# Allegro board 1155000-zp-dic_pda_8ch_board_v002.brd (continued)
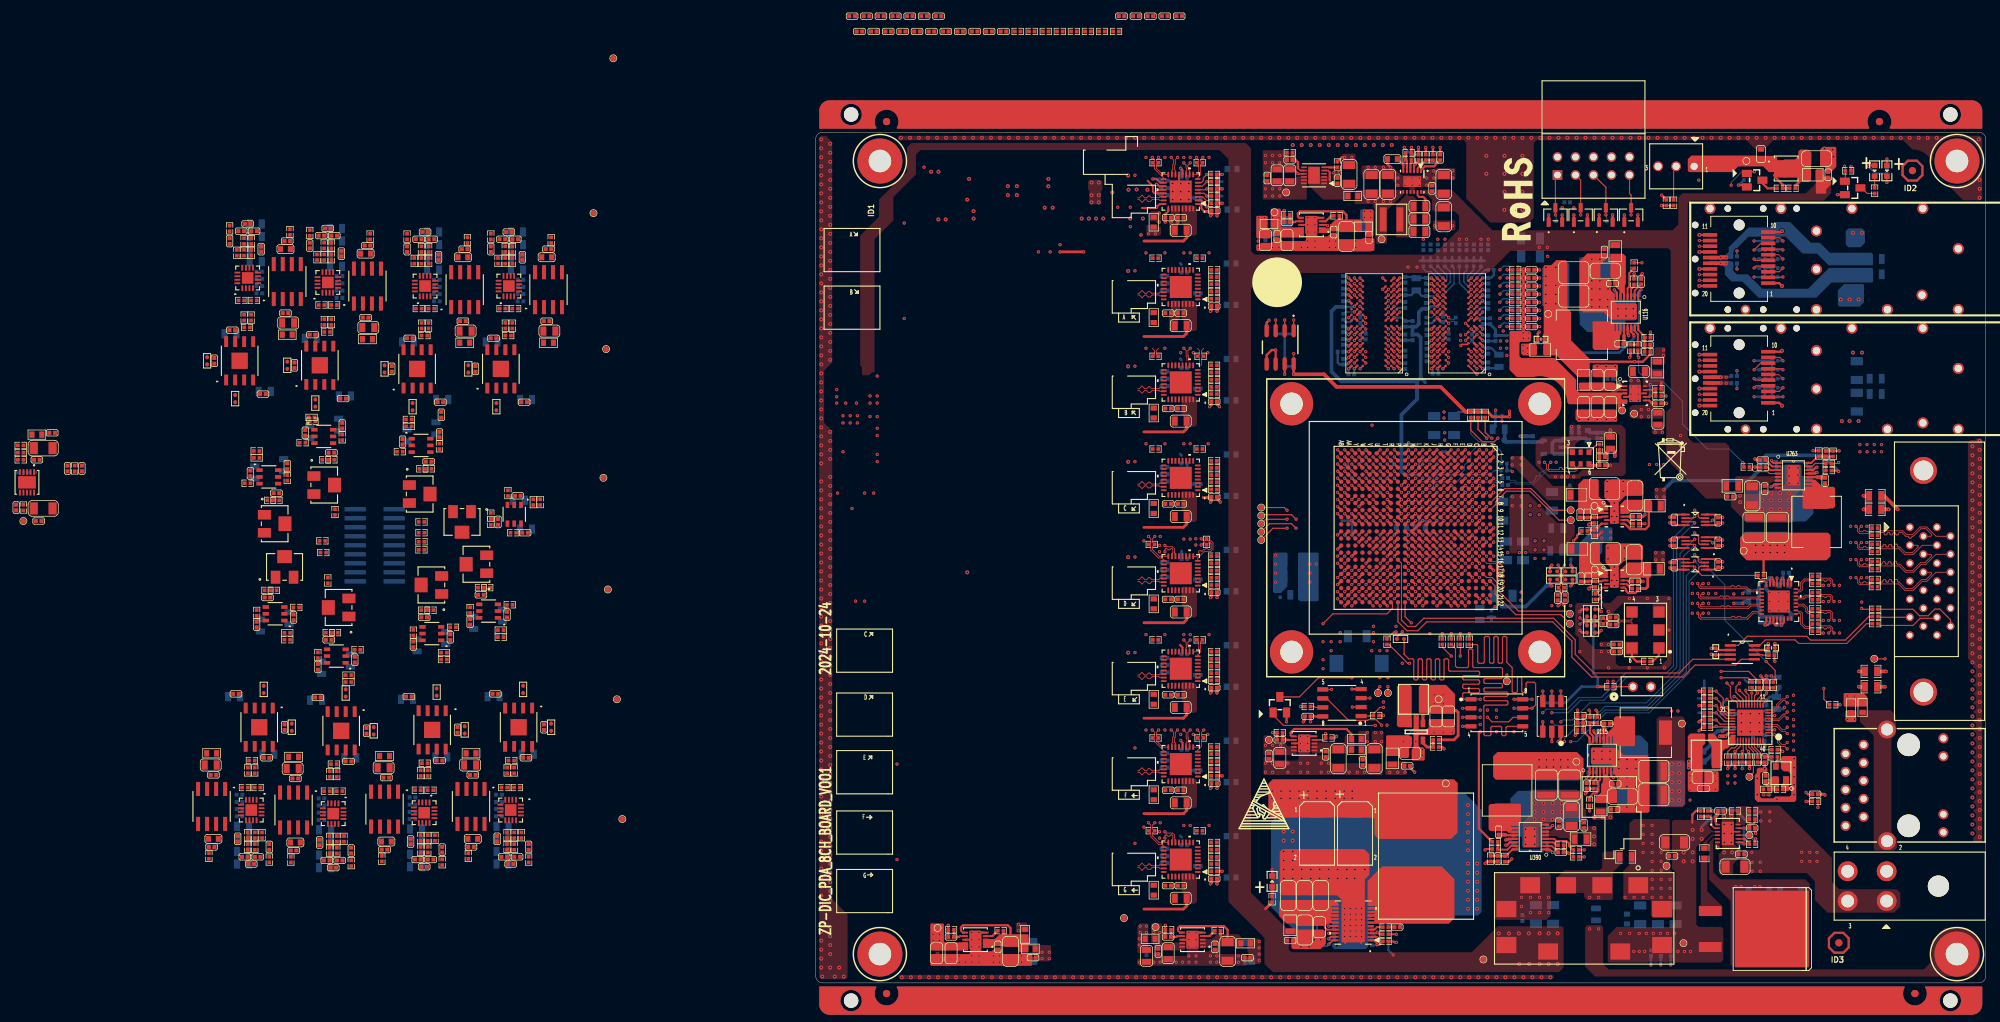
[diagram p0: board, top side]
## Nets (continued)
GND: C13.2(CAP1) C14.2(CAP1) C15.2(CAP1) C22.2(CAP1) C23.2(CAP1) C97.2(CAP1) C114.2(CAP1) C115.2(CAP1) C123.2(CAP1) C143.2(CAP1) C144.2(CAP1) C146.2(CAP1) C153.2(CAP1) C155.2(CAP1) C161.2(CAP1) C162.2(CAP1) C165.2(CAP1) C166.2(CAP1) C224.2(CAP1) C250.2(CAP1) C271.2(CAP1) C340.2(CAP1) C341.2(CAP1) C342.2(CAP1) C343.2(CAP1) C344.2(CAP1) C400.2(CAP1) C401.2(CAP1) C403.2(CAP1) C407.2(CAP1) C408.2(CAP1) C409.2(CAP1) C410.2(CAP1) C414.2(CAP1) C415.2(CAP1) C417.2(CAP1) C418.2(CAP1) C419.2(CAP1) C420.2(CAP1) C425.2(CAP1) C426.2(CAP1) C427.2(CAP1) C430.2(CAP1) C431.2(CAP1) C434.2(CAP1) C437.2(CAP1) C438.2(CAP1) C440.2(CAP1) C441.2(CAP1) C462.2(CAP1) C463.2(CAP1) C491.2(CAP1) C492.2(CAP1) C493.2(CAP1) C494.2(CAP1) C495.2(CAP1) C505.2(CAP1) C506.2(CAP1) C507.2(CAP1) C508.2(CAP1) C510.2(CAP1) C511.2(CAP1) C514.2(CAP1) C515.2(CAP1) C516.2(CAP1) C520.2(CAP1) C521.2(CAP1) C522.2(CAP1) C523.2(CAP1) C524.2(CAP1) C525.2(CAP1) C526.2(CAP1) C527.2(CAP1) C528.2(CAP1) C529.2(CAP1) C530.2(CAP1) C531.2(CAP1) C532.2(CAP1) C533.2(CAP1) C534.2(CAP1) C535.2(CAP1) C536.2(CAP1) C538.2(CAP1) C539.2(CAP1) C540.2(CAP1) C541.2(CAP1) C542.2(CAP1) C543.2(CAP1) C545.2(CAP1) C546.2(CAP1) C547.2(CAP1) C548.2(CAP1) C549.2(CAP1) C550.2(CAP1) C551.2(CAP1) C552.2(CAP1) C553.2(CAP1) C554.2(CAP1) C555.2(CAP1) C556.2(CAP1) C557.2(CAP1) C558.2(CAP1) C559.2(CAP1) C560.2(CAP1) C561.2(CAP1) C562.2(CAP1) C563.2(CAP1) C564.2(CAP1) C565.2(CAP1) C566.2(CAP1) C567.2(CAP1) C568.2(CAP1) C569.2(CAP1) C570.2(CAP1) C571.2(CAP1) C572.2(CAP1) C573.2(CAP1) C640.2(CAP1) C641.2(CAP1) C642.2(CAP1) C839.2(CAP1) C841.2(CAP1) C842.2(CAP1) C846.2(CAP1) C847.2(CAP1) C849.2(CAP1) C850.2(CAP1) C851.2(CAP1) C852.2(CAP1) C853.2(CAP1) C854.2(CAP1) C855.2(CAP1) C859.2(CAP1) C864.2(CAP1) C865.2(CAP1) C930.1(CAP2) C1135.1(CAP2) C1137.2(CAP1) C1138.2(CAP1) C1153.2(CAP1) C1154.2(CAP1) C1155.2(CAP1) C1156.2(CAP1) C1157.2(CAP1) C1158.2(CAP1) C1172.2(CAP1) C1173.2(CAP1) C1174.2(CAP1) C1175.2(CAP1) C1176.2(CAP1) C1177.1(CAP2) C1178.2(CAP1) C1181.2(CAP1) C1182.1(CAP2) C1183.1(CAP2) C1184.2(CAP1) C1185.2(CAP1) C1186.2(CAP1) C1187.1(CAP2) C1188.1(CAP2) C1189.2(CAP1) C1190.2(CAP1) C1193.2(CAP1) C1194.2(CAP1) C1195.2(CAP1) C1196.2(CAP1) C1197.2(CAP1) C1198.2(CAP1) C1199.2(CAP1) C1200.2(CAP1) C1201.2(CAP1) C1202.2(CAP1) C1203.2(CAP1) C1204.1(CAP2) C1205.2(CAP1) C1208.1(CAP2) C1209.1(CAP2) C1215.2(CAP1) C1230.2(CAP1) C1231.1(CAP2) C1232.2(CAP1) C1233.2(CAP1) C1256.1(CAP2) C1257.2(CAP1) C1258.2(CAP1) C1259.2(CAP1) C1277.1(CAP2) C1281.2(CAP1) C1282.1(CAP2) C1298.1(CAP2) C1300.2(CAP1) C1301.1(CAP2) C1338.1(CAP2) C1339.2(CAP1) C1340.2(CAP1) C1341.2(CAP1) C1347.2(CAP1) C1348.1(CAP2) C1349.2(CAP1) C1491.2(CAP1) C1492.2(CAP1) C2084.2(CAP1) C2085.2(CAP1) C2086.1(CAP2) C2087.2(CAP1) C2088.1(CAP2) C2092.2(CAP1) C2093.2(CAP1) C2094.2(CAP1) C2256.2(CAP1) C2413.2(CAP1) C2450.1(CAP2) C2467.2(CAP1) C2468.2(CAP1) C2469.1(CAP2) C2470.1(CAP2) C2471.2(CAP1) C2472.1(CAP2) C2473.1(CAP2) C2474.1(CAP2) C2476.1(CAP2) C2477.2(CAP1) C2479.2(CAP1) C2480.1(CAP2) C2481.1(CAP2) C2482.2(CAP1) C2483.2(CAP1) C2484.2(CAP1) C2485.1(CAP2) C2486.2(CAP1) C2487.1(CAP2) C2488.2(CAP1) C2489.1(CAP2) C2490.2(CAP1) C2491.2(CAP1) C2492.2(CAP1) C2493.2(CAP1) C2494.2(CAP1) C2495.2(CAP1) C2971.1(CAP2) C2972.2(CAP1) C2973.1(CAP2) C2974.2(CAP1) C2975.2(CAP1) C2976.1(CAP2) C2977.2(CAP1) C2978.1(CAP2) C2979.2(CAP1) C2980.1(CAP2) C2981.2(CAP1) C2982.1(CAP2) C2983.2(CAP1) C2984.1(CAP2) C2985.2(CAP1) C2986.1(CAP2) C2989.2(CAP1) C2990.1(CAP2) C2991.2(CAP1) C2992.1(CAP2) C2993.2(CAP1) C2994.1(CAP2) C2995.2(CAP1) C2996.1(CAP2) C2997.2(CAP1) C2998.1(CAP2) C2999.2(CAP1) C3000.1(CAP2) C3001.2(CAP1) C3002.1(CAP2) C3003.2(CAP1) C3004.1(CAP2) C3011.1(CAP2) C3012.2(CAP1) C3015.2(CAP1) C3016.2(CAP1) C3017.2(CAP1) C3021.2(CAP1) C3036.2(CAP1) C3037.2(CAP1) C3038.2(CAP1) C3039.2(CAP1) C3040.2(CAP1) C3041.2(CAP1) C3050.2(CAP1) C3051.2(CAP1) C3052.2(CAP1) C3053.2(CAP1) C3068.2(CAP1) C3069.2(CAP1) C3079.1(CAP2) C3080.2(CAP1) C3081.1(CAP2) C3084.1(CAP2) C3086.2(CAP1) C3087.1(CAP2) C3089.1(CAP2) C3090.2(CAP1) C3092.2(CAP1) C3094.2(CAP1) C3095.2(CAP1) C3096.2(CAP1) C3097.2(CAP1) C3098.2(CAP1) C3101.2(CAP1) C3102.2(CAP1) C3103.2(CAP1) C3104.2(CAP1) C3105.2(CAP1) C3106.2(CAP1) C3107.2(CAP1) C3108.2(CAP1) C3109.2(CAP1) C3110.2(CAP1) C3112.1(CAP2) C3115.2(CAP1) C3117.2(CAP1) C3118.2(CAP1) C3119.2(CAP1) C3120.2(CAP1) C3121.2(CAP1) C3124.2(CAP1) C3125.2(CAP1) C3126.2(CAP1) C3127.2(CAP1) C3128.2(CAP1) C3129.2(CAP1) C3130.2(CAP1) C3131.2(CAP1) C3132.2(CAP1) C3133.2(CAP1) C3135.1(CAP2) C3138.2(CAP1) C3140.2(CAP1) C3141.2(CAP1) C3142.2(CAP1) C3143.2(CAP1) C3144.2(CAP1) C3147.2(CAP1) C3148.2(CAP1) C3149.2(CAP1) C3150.2(CAP1) C3151.2(CAP1) C3152.2(CAP1) C3153.2(CAP1) C3154.2(CAP1) C3155.2(CAP1) C3156.2(CAP1) C3158.1(CAP2) C3161.2(CAP1) C3163.2(CAP1) C3164.2(CAP1) C3165.2(CAP1) C3166.2(CAP1) C3167.2(CAP1) C3170.2(CAP1) C3171.2(CAP1) C3172.2(CAP1) C3173.2(CAP1) C3174.2(CAP1) C3175.2(CAP1) C3176.2(CAP1) C3177.2(CAP1) C3178.2(CAP1) C3179.2(CAP1) C3181.1(CAP2) C3184.2(CAP1) C3186.2(CAP1) C3187.2(CAP1) C3188.2(CAP1) C3189.2(CAP1) C3190.2(CAP1) C3193.2(CAP1) C3194.2(CAP1) C3195.2(CAP1) C3196.2(CAP1) C3197.2(CAP1) C3198.2(CAP1) C3199.2(CAP1) C3200.2(CAP1) C3201.2(CAP1) C3202.2(CAP1) C3204.1(CAP2) C3207.2(CAP1) C3209.2(CAP1) C3210.2(CAP1) C3211.2(CAP1) C3212.2(CAP1) C3213.2(CAP1) C3216.2(CAP1) C3217.2(CAP1) C3218.2(CAP1) C3219.2(CAP1) C3220.2(CAP1) C3221.2(CAP1) C3222.2(CAP1) C3223.2(CAP1) C3224.2(CAP1) C3225.2(CAP1) C3227.1(CAP2) C3230.2(CAP1) C3232.2(CAP1) C3233.2(CAP1) C3234.2(CAP1) C3235.2(CAP1) C3236.2(CAP1) C3239.2(CAP1) C3240.2(CAP1) C3241.2(CAP1) C3242.2(CAP1) C3243.2(CAP1) C3244.2(CAP1) C3245.2(CAP1) C3246.2(CAP1) C3247.2(CAP1) C3248.2(CAP1) C3250.1(CAP2) C3253.2(CAP1) C3255.2(CAP1) C3256.2(CAP1) C3257.2(CAP1) C3258.2(CAP1) C3259.2(CAP1) C3262.2(CAP1) C3263.2(CAP1) C3264.2(CAP1) C3265.2(CAP1) C3266.2(CAP1) C3267.2(CAP1) C3268.2(CAP1) C3269.2(CAP1) C3270.2(CAP1) C3271.2(CAP1) C3272.1(CAP2) C3273.1(CAP2) C3274.1(CAP2) C3275.1(CAP2) C3276.1(CAP2) C3277.1(CAP2) C3278.1(CAP2) C3279.2(CAP1) C3280.1(CAP2) C3283.1(CAP2) C3286.1(CAP2) C3287.1(CAP2) C3288.1(CAP2) C3289.1(CAP2) C3290.1(CAP2) C3291.1(CAP2) C3292.1(CAP2) C3293.2(CAP1) C3294.1(CAP2) C3297.1(CAP2) C3300.1(CAP2) C3301.1(CAP2) C3302.1(CAP2) C3303.1(CAP2) C3304.1(CAP2) C3305.1(CAP2) C3306.1(CAP2) C3307.2(CAP1) C3308.1(CAP2) C3311.1(CAP2) C3314.1(CAP2) C3315.1(CAP2) C3316.1(CAP2) C3317.1(CAP2) C3318.1(CAP2) C3319.1(CAP2) C3320.1(CAP2) C3321.2(CAP1) C3322.1(CAP2) C3325.1(CAP2) C3328.1(CAP2) C3329.1(CAP2) C3330.1(CAP2) C3331.1(CAP2) C3332.1(CAP2) C3333.1(CAP2) C3334.1(CAP2) C3335.2(CAP1) C3336.1(CAP2) C3339.1(CAP2) C3342.1(CAP2) C3343.1(CAP2) C3344.1(CAP2) C3345.1(CAP2) C3346.1(CAP2) C3347.1(CAP2) C3348.1(CAP2) C3349.2(CAP1) C3350.1(CAP2) C3353.1(CAP2) C3356.1(CAP2) C3357.1(CAP2) C3358.1(CAP2) C3359.1(CAP2) C3360.1(CAP2) C3361.1(CAP2) C3362.1(CAP2) C3363.2(CAP1) C3364.1(CAP2) C3367.1(CAP2) C3370.1(CAP2) C3371.1(CAP2) C3372.1(CAP2) C3373.1(CAP2) C3374.1(CAP2) C3375.1(CAP2) C3376.1(CAP2) C3377.2(CAP1) C3378.1(CAP2) C3381.1(CAP2) C3384.1(CAP2) C3385.2(CAP1) C3386.1(CAP2) C3388.2(CAP1) C3389.2(CAP1) C3390.2(CAP1) C3391.2(CAP1) C3393.2(CAP1) C3394.2(CAP1) C3395.2(CAP1) C3396.2(CAP1) C3397.2(CAP1) C3398.2(CAP1) C3399.2(CAP1) C3400.2(CAP1) C3401.2(CAP1) C3402.2(CAP1) C3403.2(CAP1) C3404.2(CAP1) C3405.2(CAP1) C3406.2(CAP1) C3407.2(CAP1) C3408.2(CAP1) C3409.2(CAP1) C3410.2(CAP1) C3411.2(CAP1) C3412.1(CAP2) C3413.2(CAP1) C3414.1(CAP2) C3415.2(CAP1) C3416.2(CAP1) C3417.1(CAP2) C3418.2(CAP1) C3419.2(CAP1) C3420.1(CAP2) C3421.2(CAP1) C3422.2(CAP1) C3423.1(CAP2) C3424.2(CAP1) C3425.2(CAP1) C3426.1(CAP2) C3427.2(CAP1) C3428.1(CAP2) C3540.2(CAP1) C3542.2(CAP1) C3545.2(CAP1) C3548.2(CAP1) C3551.2(CAP1) C3554.2(CAP1) C3557.2(CAP1) CC1.2 CC7.2 CC8.2 D2.1 D3.1 D4.1 D5.1 DS24.2 J1.2 J1.10 J6.13 J61.3(P3) J77.2 J78.1 J78.2 J78.3 L3.1 L42.1 L242.1 P3.1(VEET_1) P3.10(VEER_1) P3.11(VEER_2) P3.14(VEER_3) P3.17(VEET_2) P3.20(VEET_3) P3.21(GND1) P3.22(GND2) P3.23(GND3) P3.24(GND4) P3.25(GND5) P3.26(GND6) P3.27(GND7) P3.28(GND8) P3.29(GND9) P3.30(GND10) P3.31(GND11) P3.32(GND12) P4.1(VEET_1) P4.10(VEER_1) P4.11(VEER_2) P4.14(VEER_3) P4.17(VEET_2) P4.20(VEET_3) P4.21(GND1) P4.22(GND2) P4.23(GND3) P4.24(GND4) P4.25(GND5) P4.26(GND6) P4.27(GND7) P4.28(GND8) P4.29(GND9) P4.30(GND10) P4.31(GND11) P4.32(GND12) Q10.2(SOURCE) Q15.2(SOURCE) Q21.2(SOURCE) R8.2 R41.2 R219.2 R276.2 R340.1 R341.1 R342.1 R458.2 R490.2 R844.1 R845.2 R1042.1 R1043.1 R1044.1 R1046.1 R1048.2 R1064.1 R1065.2 R1066.1 R1068.2 R1069.1 R1070.1 R1073.2 R1080.1 R1083.2 R1086.2 R1089.2 R1091.2 R1114.2 R1130.2 R1196.2 R1883.2 R2084.2 R2085.2 R2086.2 R2087.2 R2137.2 R2139.2 R2141.2 R2143.2 R2206.2 R2207.2 R2211.2 R2212.2 R2229.1 R2230.1 R2231.1 R2235.1 R2236.1 R2240.1 R2242.1 R2244.1 R2245.1 R2253.1 R2254.2 R2671.2 R2672.2 R2676.1 R2688.1 R2697.1 R2709.1 R2718.1 R2730.1 R2739.1 R2751.1 R2760.1 R2772.1 R2781.1 R2793.1 R2802.1 R2814.1 R2823.1 R2835.1 R3014.1 R3015.1 R3017.1 R3019.1 R3021.1 R3035.1 R3036.1 R3038.1 R3040.1 R3042.1 R3056.1 R3057.1 R3059.1 R3061.1 R3063.1 R3077.1 R3078.1 R3080.1 R3082.1 R3084.1 R3098.1 R3099.1 R3101.1 R3103.1 R3105.1 R3119.1 R3120.1 R3122.1 R3124.1 R3126.1 R3140.1 R3141.1 R3143.1 R3145.1 R3147.1 R3161.1 R3162.1 R3164.1 R3166.1 R3168.1 R3180.1 R3193.1 R3195.2 R3196.1 R3197.2 R3203.2 R3205.1 R3206.2 R3257.1 R3262.1 R3266.1 R3270.1 R3274.1 R3278.1 R3282.1 R3286.1 R3288.1 R3289.1 R3294.1 R3297.1 R3298.1 R3305.1 R3309.1 R3313.1 U1.A1(GND#A1) U1.A5(GND#A5) U1.A7(GND#A7) U1.A12(GND#A12) U1.A22(GND#A22) U1.AA2(GND#AA2) U1.AA12(GND#AA12) U1.AA22(GND#AA22) U1.AB9(GND#AB9) U1.AB19(GND#AB19) U1.B3(GND#B3) U1.B4(GND#B4) U1.B7(GND#B7) U1.B9(GND#B9) U1.B19(GND#B19) U1.C1(GND#C1) U1.C5(GND#C5) U1.C7(GND#C7) U1.C16(GND#C16) U1.D3(GND#D3) U1.D4(GND#D4) U1.D7(GND#D7) U1.D13(GND#D13) U1.E1(GND#E1) U1.E5(GND#E5) U1.E7(GND#E7) U1.E10(GND#E10) U1.E20(GND#E20) U1.F3(GND#F3) U1.F4(GND#F4) U1.F7(GND#F7) U1.F17(GND#F17) U1.G1(GND#G1) U1.G5(GND#G5) U1.G14(GND#G14) U1.H3(GND#H3) U1.H4(GND#H4) U1.H5(GND#H5) U1.H11(GND#H11) U1.H21(GND#H21) U1.J1(GND#J1) U1.J2(GND#J2) U1.J3(GND#J3) U1.J8(GND#J8) U1.J10(GND#J10) U1.J12(GND#J12) U1.J14(GND#J14) U1.J18(GND#J18) U1.K5(GND#K5) U1.K9(GND#K9) U1.K13(GND#K13) U1.K15(GND#K15) U1.L2(GND#L2) U1.L8(GND#L8) U1.L10(GND#L10) U1.L12(VP_0) U1.L14(GND#L14) U1.L22(GND#L22) U1.M7(CFGBVS_0) U1.M9(GND#M9) U1.M11(VN_0) U1.M13(GND#M13) U1.M15(GND#M15) U1.M19(GND#M19) U1.N6(GND#N6) U1.N8(GND#N8) U1.N10(GND#N10) U1.N11(DXN_0) U1.N12(DXP_0) U1.N14(GND#N14) U1.N16(GND#N16) U1.P3(GND#P3) U1.P9(GND#P9) U1.P11(GND#P11) U1.P13(GND#P13) U1.P15(GND#P15) U1.R8(GND#R8) U1.R10(GND#R10) U1.R12(GND#R12) U1.R14(GND#R14) U1.R20(GND#R20) U1.T7(GND#T7) U1.T17(GND#T17) U1.U4(GND#U4) U1.U14(GND#U14) U1.V1(GND#V1) U1.V11(GND#V11) U1.V21(GND#V21) U1.W8(GND#W8) U1.W18(GND#W18) U1.Y5(GND#Y5) U1.Y15(GND#Y15) U23.4(PGND) U23.8(GND) U23.11(PWRPAD) U49.4(GND) U49.5(DIR) U75.A9(VSS#A9) U75.B1(VSSQ#B1) U75.B3(VSS#B3) U75.B9(VSSQ#B9) U75.D1(VSSQ#D1) U75.D8(VSSQ#D8) U75.E1(VSS#E1) U75.E2(VSSQ#E2) U75.E8(VSSQ#E8) U75.F9(VSSQ#F9) U75.G1(VSSQ#G1) U75.G8(VSS#G8) U75.G9(VSSQ#G9) U75.J2(VSS#J2) U75.J8(VSS#J8) U75.M1(VSS#M1) U75.M9(VSS#M9) U75.P1(VSS#P1) U75.P9(VSS#P9) U75.T1(VSS#T1) U75.T9(VSS#T9) U76.A9(VSS#A9) U76.B1(VSSQ#B1) U76.B3(VSS#B3) U76.B9(VSSQ#B9) U76.D1(VSSQ#D1) U76.D8(VSSQ#D8) U76.E1(VSS#E1) U76.E2(VSSQ#E2) U76.E8(VSSQ#E8) U76.F9(VSSQ#F9) U76.G1(VSSQ#G1) U76.G8(VSS#G8) U76.G9(VSSQ#G9) U76.J2(VSS#J2) U76.J8(VSS#J8) U76.M1(VSS#M1) U76.M9(VSS#M9) U76.P1(VSS#P1) U76.P9(VSS#P9) U76.T1(VSS#T1) U76.T9(VSS#T9) U79.4(GND) U79.5(A2) U79.6(A1) U79.7(A0) U93.41(THERM_PAD) U94.2(GND) U102.4(GND) U103.3(GND) U111.4(QPI-1) U111.5(QPI-2) U113.23(EPAD) U115.8(PGND2) U115.17(GND) U116.8(PGND2) U116.17(GND) U118.4(GND) U118.11(PAD) U119.4(GND) U119.11(PAD) U124.2(GND) U127.5(ILIM) U127.8(GND) U127.11(GND_2) U129.5(ILIM) U129.8(GND) U129.11(GND_2) U133.5(ILIM) U133.8(GND) U133.11(GND_2) U154.2(GND) U236.9(GND) U236.10(GND_1) U236.13(PAD) U263.8(PGND2) U263.17(GND) U270.3(GND) U271.1(GND) U271.2(GND_2) U271.5(GND_3) U271.17(GND_4) U271.18(GND_5) U271.33(GND_6) U272.2(GND) U273.4(GND) U275.4(GND) U276.4(GND) U277.4(GND) U278.4(GND) U280.4(GND) U281.4(GND) U282.4(GND) U283.4(GND) U286.4(GND) U286.5(DIR) U287.4(GND) U287.5(DIR) U341.8(GND) U341.11(GND_2) U343.9(EPAD) U344.13(VCLAMP-) U344.14(VS-#14) U344.15(VS-#15) U344.16(DGND) U344.17(EP) U345.13(VCLAMP-) U345.14(VS-#14) U345.15(VS-#15) U345.16(DGND) U345.17(EP) U347.9(EPAD) U348.9(EPAD) U349.13(VCLAMP-) U349.14(VS-#14) U349.15(VS-#15) U349.16(DGND) U349.17(EP) U351.9(EPAD) U352.13(VCLAMP-) U352.14(VS-#14) U352.15(VS-#15) U352.16(DGND) U352.17(EP) U355.13(VCLAMP-) U355.14(VS-#14) U355.15(VS-#15) U355.16(DGND) U355.17(EP) U356.9(EPAD) U358.9(EPAD) U359.13(VCLAMP-) U359.14(VS-#14) U359.15(VS-#15) U359.16(DGND) U359.17(EP) U360.13(VCLAMP-) U360.14(VS-#14) U360.15(VS-#15) U360.16(DGND) U360.17(EP) U362.9(EPAD) U364.13(VCLAMP-) U364.14(VS-#14) U364.15(VS-#15) U364.16(DGND) U364.17(EP) U365.9(EPAD) U366.13(GND) U366.24(GND_2) U366.26(REF_GND) U366.27(REF_GND_2) U366.28(REF_GND_3) U366.33(EP) U369.13(GND) U369.24(GND_2) U369.26(REF_GND) U369.27(REF_GND_2) U369.28(REF_GND_3) U369.33(EP) U372.13(GND) U372.24(GND_2) U372.26(REF_GND) U372.27(REF_GND_2) U372.28(REF_GND_3) U372.33(EP) U375.13(GND) U375.24(GND_2) U375.26(REF_GND) U375.27(REF_GND_2) U375.28(REF_GND_3) U375.33(EP) U378.13(GND) U378.24(GND_2) U378.26(REF_GND) U378.27(REF_GND_2) U378.28(REF_GND_3) U378.33(EP) U381.13(GND) U381.24(GND_2) U381.26(REF_GND) U381.27(REF_GND_2) U381.28(REF_GND_3) U381.33(EP) U384.13(GND) U384.24(GND_2) U384.26(REF_GND) U384.27(REF_GND_2) U384.28(REF_GND_3) U384.33(EP) U387.13(GND) U387.24(GND_2) U387.26(REF_GND) U387.27(REF_GND_2) U387.28(REF_GND_3) U387.33(EP) U390.8(PGND2) U390.17(GND) U391.5(ILIM) U391.8(GND) U391.11(GND_2) U392.9(GND)
GND_EARTH: MH1.1 R2123.1
GND_FPGA_LAN: J6.17(SHELL_GND#17) J6.18(SHELL_GND#18) L42.2
VCC1V5: C1186.1(CAP2) C1192.2(CAP1) C1193.1(CAP2) C1194.1(CAP2) C1195.1(CAP2) C1196.1(CAP2) L92.2 L94.2 L95.1 R1072.2 TP44.1 U116.14(BIAS)
VCC1V5_FPGA: C161.1(CAP2) C162.1(CAP2) C187.1(CAP2) C250.1(CAP2) C508.1(CAP2) C510.1(CAP2) C511.1(CAP2) C514.1(CAP2) C515.1(CAP2) C516.1(CAP2) C528.1(CAP2) C529.1(CAP2) C530.1(CAP2) C531.1(CAP2) C532.1(CAP2) C533.1(CAP2) C534.1(CAP2) C535.1(CAP2) C536.1(CAP2) C538.1(CAP2) C539.1(CAP2) C540.1(CAP2) C541.1(CAP2) C542.1(CAP2) C543.1(CAP2) C544.1(CAP2) C556.1(CAP2) C557.1(CAP2) C558.1(CAP2) C559.1(CAP2) C560.1(CAP2) C561.1(CAP2) C562.1(CAP2) C564.1(CAP2) C565.1(CAP2) C566.1(CAP2) C567.1(CAP2) C568.1(CAP2) C569.1(CAP2) C570.1(CAP2) C571.1(CAP2) C572.1(CAP2) L92.1 R2140.1 R2142.1 U1.AA7(VCCO_33#AA7) U1.AB4(VCCO_34#AB4) U1.M4(VCCO_34#M4) U1.N1(VCCO_34#N1) U1.R5(VCCO_34#R5) U1.T2(VCCO_34#T2) U1.T12(VCCO_33#T12) U1.U9(VCCO_33#U9) U1.V6(VCCO_33#V6) U1.W3(VCCO_34#W3) U1.W13(VCCO_33#W13) U1.Y10(VCCO_33#Y10) U75.A1(VDDQ#A1) U75.A8(VDDQ#A8) U75.B2(VDD#B2) U75.C1(VDDQ#C1) U75.C9(VDDQ#C9) U75.D2(VDDQ#D2) U75.D9(VDD#D9) U75.E9(VDDQ#E9) U75.F1(VDDQ#F1) U75.G7(VDD#G7) U75.H2(VDDQ#H2) U75.H9(VDDQ#H9) U75.K2(VDD#K2) U75.K8(VDD#K8) U75.N1(VDD#N1) U75.N9(VDD#N9) U75.R1(VDD#R1) U75.R9(VDD#R9) U76.A1(VDDQ#A1) U76.A8(VDDQ#A8) U76.B2(VDD#B2) U76.C1(VDDQ#C1) U76.C9(VDDQ#C9) U76.D2(VDDQ#D2) U76.D9(VDD#D9) U76.E9(VDDQ#E9) U76.F1(VDDQ#F1) U76.G7(VDD#G7) U76.H2(VDDQ#H2) U76.H9(VDDQ#H9) U76.K2(VDD#K2) U76.K8(VDD#K8) U76.N1(VDD#N1) U76.N9(VDD#N9) U76.R1(VDD#R1) U76.R9(VDD#R9)
VCC1V5_PG: R1075.1 R1077.1
VCC1V8: C505.1(CAP2) C641.1(CAP2) C642.1(CAP2) C1172.1(CAP2) C1173.1(CAP2) C1174.1(CAP2) C1180.2(CAP1) C1181.1(CAP2) C1184.1(CAP2) C1185.1(CAP2) C1492.1(CAP2) C2494.1(CAP2) C3037.1(CAP2) C3038.1(CAP2) C3040.1(CAP2) D2.2 D3.2 D4.2 D5.2 J1.4 L34.2 L86.2 L91.1 L99.1 L101.1 L245.1 R4.1 R42.1 R337.2 R338.2 R339.2 R395.1 R455.1 R456.1 R496.1 R497.1 R498.1 R499.1 R500.1 R501.1 R1057.2 R1058.1 R1074.1 R1076.1 R1100.1 R1112.1 R1885.1 R1928.1 R2152.1 R2153.1 R2232.2 R2233.2 R2234.2 R2237.2 R2238.2 R2239.2 R2247.2 R2598.2 R3188.1 TP43.1 U49.8(VCCB) U79.8(VS) U102.8(VCC) U115.14(BIAS) U154.3(VCCA) U273.8(VCC) U286.8(VCCB) U287.1(VCCA)
VCC1V8_A: C1300.1(CAP2) C1301.2(CAP1) C3017.1(CAP2) L366.1 L367.1 L369.1 L370.1 L372.1 L373.1 L375.1 L376.1 L378.1 L379.1 L381.1 L382.1 L384.1 L385.1 L387.1 L388.1 TP64.1 U129.9(OUTS) U129.10(OUT)
VCC1V8_FPGA: C143.1(CAP2) C400.1(CAP2) C401.1(CAP2) C403.1(CAP2) C2495.1(CAP2) L91.2 U1.F22(VCCO_14#F22) U1.G19(VCCO_14#G19) U1.J7(VCCO_0#J7) U1.K20(VCCO_14#K20) U1.L17(VCCO_14#L17) U1.N7(VCCO_0#N7) U1.N21(VCCO_14#N21) U1.P18(VCCO_14#P18)
VCC1V8_PG: R1060.1 R1067.1
VCC2V5: C1258.1(CAP2) C1259.1(CAP2) C2256.1(CAP2) C2413.1(CAP2) L112.2 L233.2 L265.1 R1129.1 R2120.1 R2154.1 R2155.1 R2156.1 TP58.1
VCC2V5_AMP: C3101.1(CAP2) C3102.1(CAP2) C3124.1(CAP2) C3125.1(CAP2) C3147.1(CAP2) C3148.1(CAP2) C3170.1(CAP2) C3171.1(CAP2) C3193.1(CAP2) C3194.1(CAP2) C3216.1(CAP2) C3217.1(CAP2) C3239.1(CAP2) C3240.1(CAP2) C3262.1(CAP2) C3263.1(CAP2) C3415.1(CAP2) C3416.1(CAP2) C3417.2(CAP1) R2674.1 R2696.1 R2716.1 R2737.1 R2758.1 R2779.1 R2800.1 R2821.1 TP165.1 U342.6(V+) U346.6(V+) U350.6(V+) U353.6(V+) U354.6(V+) U357.6(V+) U361.6(V+) U363.6(V+) U391.9(OUTS) U391.10(OUT)
VCC2V5_FPGA: C407.1(CAP2) C408.1(CAP2) C409.1(CAP2) C410.1(CAP2) C414.1(CAP2) C415.1(CAP2) C417.1(CAP2) C434.1(CAP2) C437.1(CAP2) C438.1(CAP2) C440.1(CAP2) C441.1(CAP2) L233.1 L265.2 R2204.1 R2205.1 R2208.1 R2209.1 U1.A17(VCCO_15#A17) U1.AA17(VCCO_13#AA17) U1.AB14(VCCO_13#AB14) U1.B14(VCCO_15#B14) U1.C11(VCCO_16#C11) U1.C21(VCCO_15#C21) U1.D8(VCCO_16#D8) U1.D18(VCCO_15#D18) U1.E15(VCCO_15#E15) U1.F12(VCCO_16#F12) U1.G9(VCCO_16#G9) U1.H16(VCCO_15#H16) U1.T22(VCCO_13#T22) U1.U19(VCCO_13#U19) U1.V16(VCCO_13#V16) U1.Y20(VCCO_13#Y20)
VCC3V3: C1198.1(CAP2) C1199.1(CAP2) C1200.1(CAP2) C1201.1(CAP2) C1207.2(CAP1) C1256.2(CAP1) C1298.2(CAP1) C1491.1(CAP2) C2484.1(CAP2) C2485.2(CAP1) C3036.1(CAP2) C3039.1(CAP2) C3041.1(CAP2) C3052.1(CAP2) DS10.1 L6.1 L7.1 L45.2 L54.2 L96.2 L97.2 L111.1 L125.1 L243.1 L244.1 L282.2 L283.1 L288.1 L290.1 L291.1 L395.1 R11.1 R12.1 R13.1 R14.1 R87.1 R391.1 R392.1 R516.1 R517.1 R834.1 R1085.2 R1150.1 R2135.1 R2144.1 R2145.1 R2146.1 R2147.1 R2148.1 R2149.1 R2150.1 R2151.1 R2248.2 R2249.2 R2250.2 R2251.2 R2252.1 TP45.1 U49.1(VCCA) U154.7(VCCB) U263.14(BIAS) U286.1(VCCA) U287.8(VCCB)
VCC3V3_PG: R1078.1 R1884.1
VCC5V5: C1277.2(CAP1) C1338.2(CAP1) C2479.1(CAP2) C3050.1(CAP2) C3388.1(CAP2) C3389.1(CAP2) C3390.1(CAP2) C3391.1(CAP2) C3392.2(CAP1) C3411.1(CAP2) C3412.2(CAP1) L122.1 L131.1 L390.2 L391.1 L394.1 R3191.2 TP164.1 U390.14(BIAS)
VCC5V5_PG: R3201.1 U1.R21(IO_L24P_T3_A01_D17_14)
VCC5V_A: C1281.1(CAP2) C1282.2(CAP1) C3016.1(CAP2) L365.1 L368.1 L371.1 L374.1 L377.1 L380.1 L383.1 L386.1 L393.1 TP62.1 U127.9(OUTS) U127.10(OUT)
VCC5V_ADA4945: C3103.1(CAP2) C3104.1(CAP2) C3105.1(CAP2) C3106.1(CAP2) C3107.1(CAP2) C3108.1(CAP2) C3109.1(CAP2) C3110.1(CAP2) C3126.1(CAP2) C3127.1(CAP2) C3128.1(CAP2) C3129.1(CAP2) C3130.1(CAP2) C3131.1(CAP2) C3132.1(CAP2) C3133.1(CAP2) C3149.1(CAP2) C3150.1(CAP2) C3151.1(CAP2) C3152.1(CAP2) C3153.1(CAP2) C3154.1(CAP2) C3155.1(CAP2) C3156.1(CAP2) C3172.1(CAP2) C3173.1(CAP2) C3174.1(CAP2) C3175.1(CAP2) C3176.1(CAP2) C3177.1(CAP2) C3178.1(CAP2) C3179.1(CAP2) C3195.1(CAP2) C3196.1(CAP2) C3197.1(CAP2) C3198.1(CAP2) C3199.1(CAP2) C3200.1(CAP2) C3201.1(CAP2) C3202.1(CAP2) C3218.1(CAP2) C3219.1(CAP2) C3220.1(CAP2) C3221.1(CAP2) C3222.1(CAP2) C3223.1(CAP2) C3224.1(CAP2) C3225.1(CAP2) C3241.1(CAP2) C3242.1(CAP2) C3243.1(CAP2) C3244.1(CAP2) C3245.1(CAP2) C3246.1(CAP2) C3247.1(CAP2) C3248.1(CAP2) C3264.1(CAP2) C3265.1(CAP2) C3266.1(CAP2) C3267.1(CAP2) C3268.1(CAP2) C3269.1(CAP2) C3270.1(CAP2) C3271.1(CAP2) C3425.1(CAP2) C3426.2(CAP1) L309.2 R2677.1 R2698.1 R2719.1 R2740.1 R2761.1 R2782.1 R2803.1 R2824.1 U344.5(MODE) U344.6(VS+#6) U344.7(VS+#7) U344.8(VCLAMP+) U345.5(MODE) U345.6(VS+#6) U345.7(VS+#7) U345.8(VCLAMP+) U349.5(MODE) U349.6(VS+#6) U349.7(VS+#7) U349.8(VCLAMP+) U352.5(MODE) U352.6(VS+#6) U352.7(VS+#7) U352.8(VCLAMP+) U355.5(MODE) U355.6(VS+#6) U355.7(VS+#7) U355.8(VCLAMP+) U359.5(MODE) U359.6(VS+#6) U359.7(VS+#7) U359.8(VCLAMP+) U360.5(MODE) U360.6(VS+#6) U360.7(VS+#7) U360.8(VCLAMP+) U364.5(MODE) U364.6(VS+#6) U364.7(VS+#7) U364.8(VCLAMP+)
VCC5V_AMP: C1341.1(CAP2) C2481.2(CAP1) C3021.1(CAP2) C3097.1(CAP2) C3098.1(CAP2) C3120.1(CAP2) C3121.1(CAP2) C3143.1(CAP2) C3144.1(CAP2) C3166.1(CAP2) C3167.1(CAP2) C3189.1(CAP2) C3190.1(CAP2) C3212.1(CAP2) C3213.1(CAP2) C3235.1(CAP2) C3236.1(CAP2) C3258.1(CAP2) C3259.1(CAP2) L309.1 TP68.1 U133.9(OUTS) U133.10(OUT) U343.7(V+) U347.7(V+) U348.7(V+) U351.7(V+) U356.7(V+) U358.7(V+) U362.7(V+) U365.7(V+)
VCC5V_VREF: C3427.1(CAP2) C3428.2(CAP1) L299.1 L300.1 L301.1 L302.1 L303.1 L304.1 L305.1 L306.1 L393.2
VCC10V: C3069.1(CAP2) C3084.2(CAP1) C3086.1(CAP2) R2659.1 TP163.1 U341.9(OUTS) U341.10(OUT)
VCC10V_EN: R2666.1 U1.M16(IO_25_14)
VCC12V: C1135.2(CAP1) C1137.1(CAP2) C1138.1(CAP2) C1182.2(CAP1) C1183.2(CAP1) C1187.2(CAP1) C1209.2(CAP1) C1348.2(CAP1) C2084.1(CAP2) C2085.1(CAP2) C2086.2(CAP1) C3079.2(CAP1) C3384.2(CAP1) L89.1 L90.1 L93.1 L98.1 L134.1 L356.1 L389.1 R1045.1 R2050.1 TP39.1 U111.6(QPI+1) U111.7(QPI+2) U236.12(VIN)
VCC12V_FAN: C1347.1(CAP2) J61.1(P1) Q20.1(D1) Q20.2(D2) Q20.3(D3) TP69.1
VCC12V_FAN_EN: R1197.2 U1.M21(IO_L17N_T2_A13_D29_14)
VCC12V_IN: C1134.1(CAP2) C1136.2(CAP1) C1139.1(CAP2) C1140.1(CAP2) C1142.1(CAP2) C1144.1(CAP2) C1145.2(CAP1) C1149.1(CAP2) C1150.1(CAP2) C1152.2(CAP1) Q1.S R1033.1 R1040.1 TP37.1 U111.8(BUS+1) U111.9(BUS+2) U112.3(OUT)
VCC12V_IN_CON: C1147.1(CAP2) C1148.2(CAP1) J18.1(POWER#1) J18.3(POWER#3) R1034.1 R1037.1 R1038.1 U112.6(VCC)
VCC-2V5_AMP: C3095.1(CAP2) C3096.1(CAP2) C3118.1(CAP2) C3119.1(CAP2) C3141.1(CAP2) C3142.1(CAP2) C3164.1(CAP2) C3165.1(CAP2) C3187.1(CAP2) C3188.1(CAP2) C3210.1(CAP2) C3211.1(CAP2) C3233.1(CAP2) C3234.1(CAP2) C3256.1(CAP2) C3257.1(CAP2) C3395.1(CAP2) C3396.1(CAP2) C3397.1(CAP2) C3398.1(CAP2) C3399.1(CAP2) C3400.1(CAP2) C3401.1(CAP2) C3402.1(CAP2) C3403.1(CAP2) C3404.1(CAP2) C3405.1(CAP2) C3406.1(CAP2) C3407.1(CAP2) C3408.1(CAP2) C3409.1(CAP2) C3410.1(CAP2) C3421.1(CAP2) C3422.1(CAP2) C3423.2(CAP1) TP166.1 U342.2(V-) U343.4(V-) U346.2(V-) U347.4(V-) U348.4(V-) U350.2(V-) U351.4(V-) U353.2(V-) U354.2(V-) U356.4(V-) U357.2(V-) U358.4(V-) U361.2(V-) U362.4(V-) U363.2(V-) U365.4(V-) U392.10(OUTS) U392.11(OUT) U392.12(OUT_1)
VCC-3V_A: C2092.1(CAP2) C2093.1(CAP2) C2094.1(CAP2) L228.2 L392.1 TP83.1 U236.7(VOUT)
VCC-3V_PG: R1886.1 R3189.1
VCCAUX: C123.1(CAP2) C418.1(CAP2) C419.1(CAP2) C420.1(CAP2) C425.1(CAP2) L5.2 L34.1 U1.K10(VCCAUX#K10) U1.M10(VCCAUX#M10) U1.P7(VCCBATT_0) U1.P8(VCCAUX#P8) U1.P10(VCCAUX#P10) U1.P12(VCCAUX#P12) U1.R9(VCCAUX#R9) U1.R11(VCCAUX#R11)
VCCINT_FPGA: C153.1(CAP2) C155.1(CAP2) C165.1(CAP2) C166.1(CAP2) C493.1(CAP2) C494.1(CAP2) C495.1(CAP2) CC1.1 CC7.1 CC8.1 L85.1 R1047.2 TP41.1 U1.J9(VCCINT#J9) U1.J11(VCCINT#J11) U1.J13(VCCINT#J13) U1.J15(VCCINT#J15) U1.K8(VCCINT#K8) U1.K14(VCCINT#K14) U1.L9(VCCINT#L9) U1.L13(VCCBRAM#L13) U1.L15(VCCINT#L15) U1.M8(VCCINT#M8) U1.M14(VCCINT#M14) U1.N9(VCCINT#N9) U1.N13(VCCBRAM#N13) U1.N15(VCCINT#N15) U1.P14(VCCINT#P14) U1.R13(VCCBRAM#R13) U1.R15(VCCINT#R15)
VCCINT_FPGA_PG: R1041.2 R1059.1 U113.3(PGOOD)
ADC1_CLK_N: R3013.1 U1.V18(IO_L5N_T0_13) U366.16(CLK-)
ADC1_CLK_P: R3013.2 U1.U17(IO_L5P_T0_13) U366.17(CLK+)
ADC1_CNV_N: R3012.1 U1.U20(IO_L6N_T0_VREF_13) U366.8(CNV-)
ADC1_CNV_P: R3012.2 U1.T20(IO_L6P_T0_13) U366.9(CNV+)
ADC1_DATA_N: U1.W22(IO_L4N_T0_13) U366.10(D-)
ADC1_DATA_P: U1.W21(IO_L4P_T0_13) U366.11(D+)
ADC1_DCO_N: U1.W19(IO_L12N_T1_MRCC_13) U366.14(DCO-)
ADC1_DCO_P: U1.V19(IO_L12P_T1_MRCC_13) U366.15(DCO+)
ADC1_EN0: R3021.2 R3022.2 U366.4(EN0)
ADC1_EN1: R3019.2 R3020.2 U366.5(EN1)
ADC1_EN2: R3017.2 R3018.2 U366.6(EN2)
ADC1_EN3: R3015.2 R3016.2 U366.7(EN3)
ADC1_IN+: C3137.2(CAP1) C3138.1(CAP2) R2733.2 U366.23(IN+)
ADC1_IN-: C3135.2(CAP1) C3137.1(CAP2) R2726.2 U366.22(IN-)
ADC1_VCM_OUT: C3140.1(CAP2) C3283.2(CAP1) R3026.2 U349.9(VCOM)
ADC1_VIO: C3278.2(CAP1) L367.2 R3016.1 R3018.1 R3020.1 R3022.1 U366.12(VIO)
ADC1_VREF: C3279.1(CAP2) C3280.2(CAP1) R2184.2 U366.29(REF) U366.30(REF_2) U366.31(REF_3) U366.32(REF_4)
ADC2_CLK_N: R3034.1 U1.U18(IO_L3N_T0_DQS_13) U369.16(CLK-)
ADC2_CLK_P: R3034.2 U1.T18(IO_L3P_T0_DQS_13) U369.17(CLK+)
ADC2_CNV_N: R3033.1 U1.V22(IO_L2N_T0_13) U369.8(CNV-)
ADC2_CNV_P: R3033.2 U1.U22(IO_L2P_T0_13) U369.9(CNV+)
ADC2_DATA_N: U1.U21(IO_L1N_T0_13) U369.10(D-)
ADC2_DATA_P: U1.T21(IO_L1P_T0_13) U369.11(D+)
ADC2_DCO_N: U1.W20(IO_L11N_T1_SRCC_13) U369.14(DCO-)
ADC2_DCO_P: U1.V20(IO_L11P_T1_SRCC_13) U369.15(DCO+)
ADC2_EN0: R3042.2 R3043.2 U369.4(EN0)
ADC2_EN1: R3040.2 R3041.2 U369.5(EN1)
ADC2_EN2: R3038.2 R3039.2 U369.6(EN2)
ADC2_EN3: R3036.2 R3037.2 U369.7(EN3)
ADC2_IN+: C3091.2(CAP1) C3092.1(CAP2) R2691.2 U369.23(IN+)
ADC2_IN-: C3089.2(CAP1) C3091.1(CAP2) R2684.2 U369.22(IN-)
ADC2_VCM_OUT: C3094.1(CAP2) C3297.2(CAP1) R3047.2 U344.9(VCOM)
ADC2_VIO: C3292.2(CAP1) L370.2 R3037.1 R3039.1 R3041.1 R3043.1 U369.12(VIO)
ADC2_VREF: C3293.1(CAP2) C3294.2(CAP1) R2185.2 U369.29(REF) U369.30(REF_2) U369.31(REF_3) U369.32(REF_4)